# Altium PCB SG1.PcbDoc (part 2 of 3) (continued)
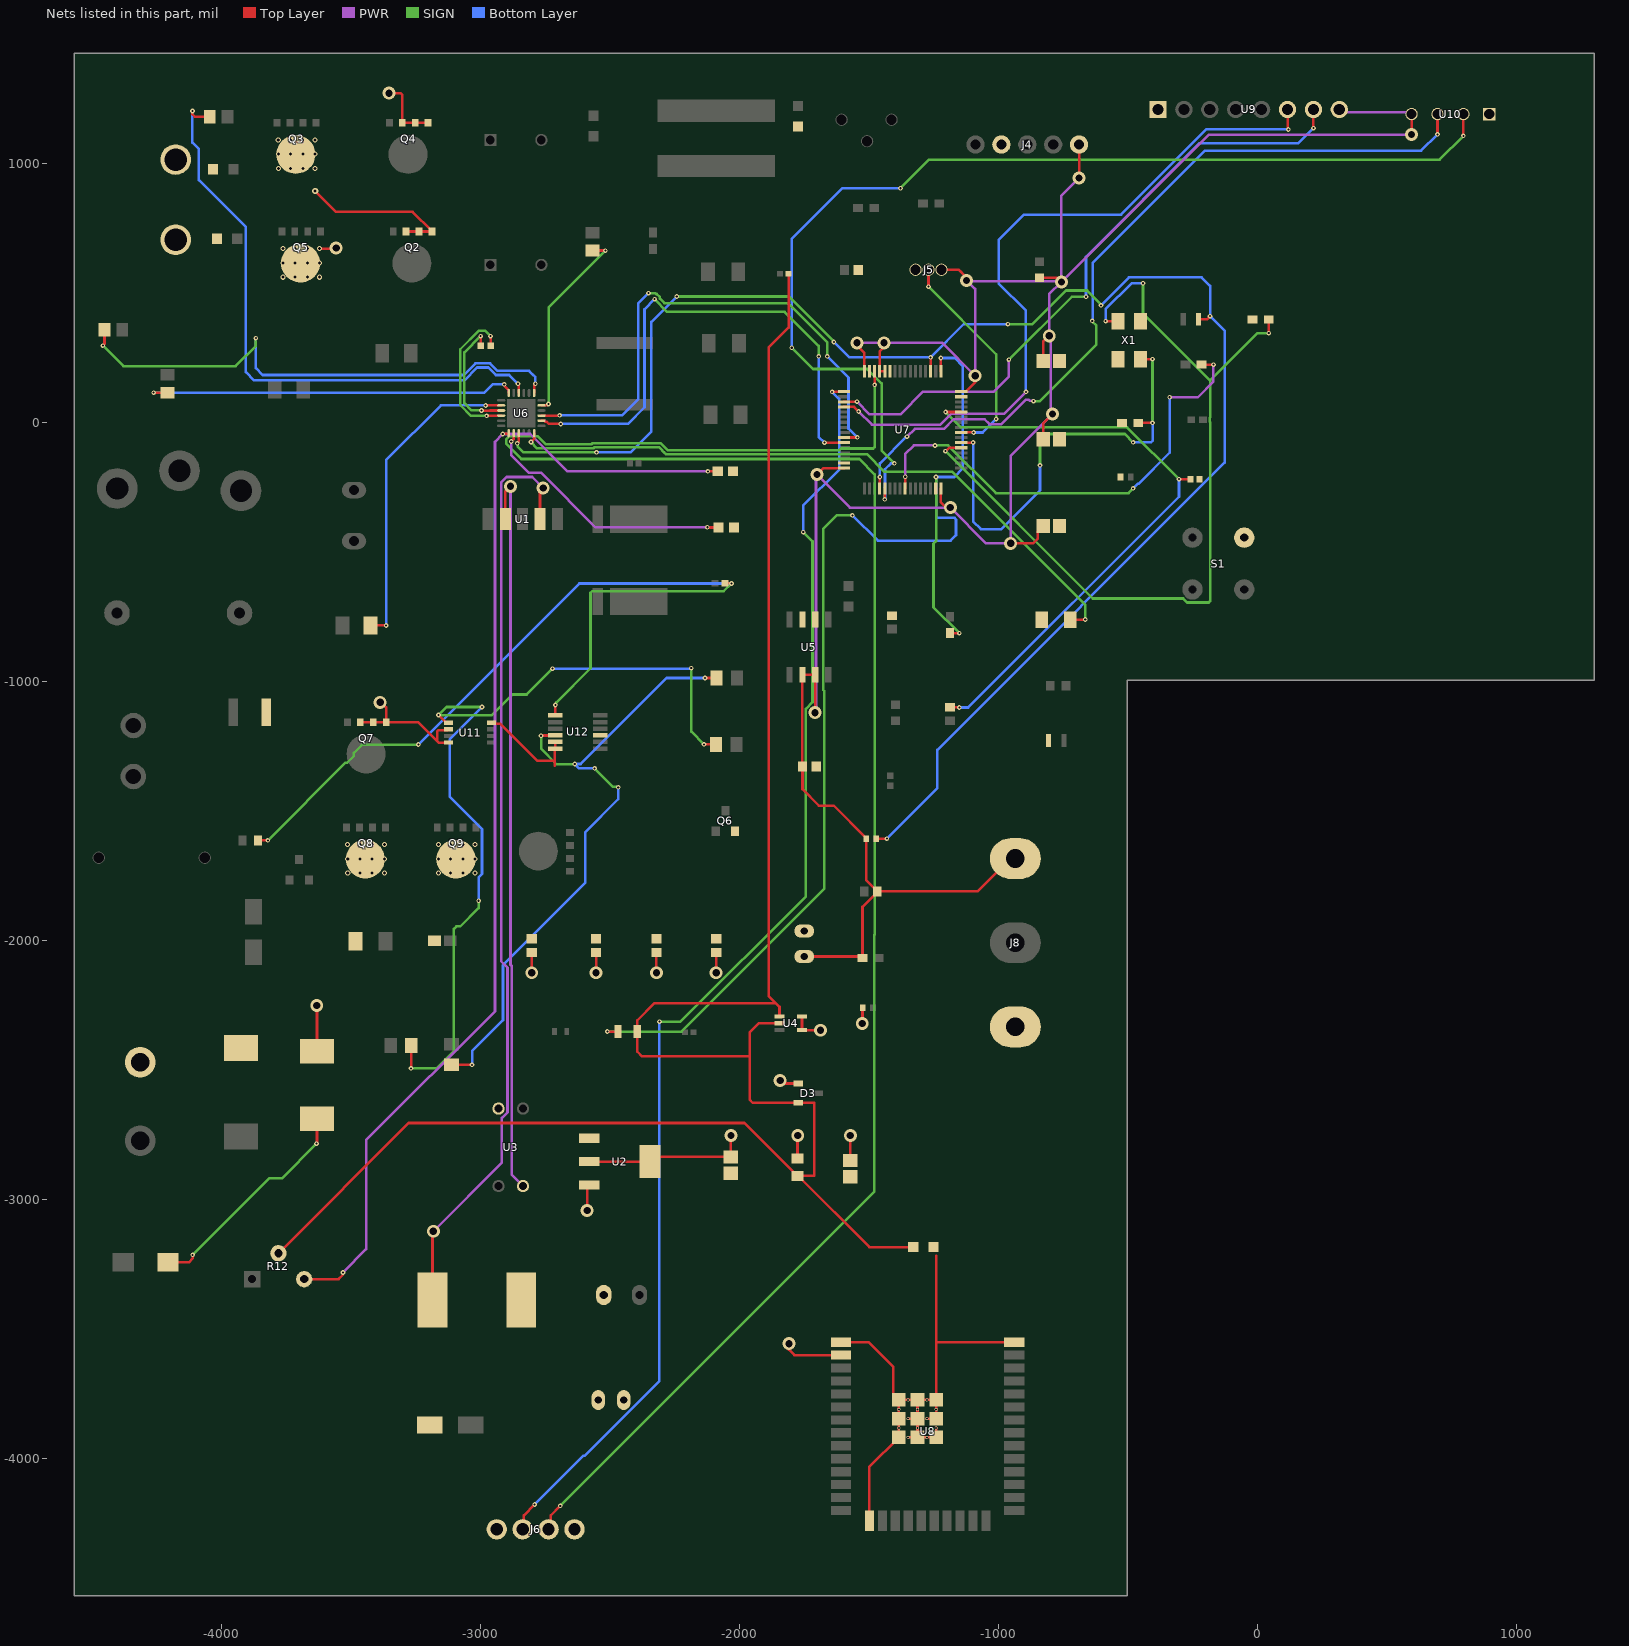
[diagram p6: the nets of this part, all layers, seen from the top]
## Part data (continued)
X1: library part "CRYSTAL 16MHz", "CRYSTAL 16.0000MHZ 20PF SMD", Case/Package=SMD/SMT, ESR (Equivalent Series Resistance)=50R, Frequency=16MHz, Frequency Stability=50ppm, Frequency Tolerance=30ppm, Load Capacitance=20pF, Manufacturer="ECS International", Max Operating Temperature=70°C, Min Operating Temperature=-20°C, Package Quantity=1, Supplier Part Number 1=XC1120CT-ND, Category=Crystals, ComponentLink1Description=https://datasheet.ciiva.com/853/ecx-53b-853408.pdf?src-supplier=Digi-Key, ComponentLink1URL=https://datasheet.ciiva.com/853/ecx-53b-853408.pdf?src-supplier=Digi-Key, ComponentLink2Description=https://datasheet.ciiva.com/853/ecx-53b-853406.pdf?src-supplier=Digi-Key, ComponentLink2URL=https://datasheet.ciiva.com/853/ecx-53b-853406.pdf?src-supplier=Digi-Key, ComponentLink3Description=https://datasheet.ciiva.com/853/ecx-53b-853407.pdf?src-supplier=Digi-Key, ComponentLink3URL=https://datasheet.ciiva.com/853/ecx-53b-853407.pdf?src-supplier=Digi-Key, Designed by=BERK, Height=0.033inch, Lead Free="Lead Free", Length=0.197inch, Manufacturer Part Number=ECS-160-20-30B-TR, Mount="Surface Mount", Packaging="Tape and Reel", Pricing 1="1=1,33000, 10=1,26800, 50=1,23900, 100=1,06200, 500=1,03250 (USD)", RoHS=Yes, RoHS Compliant=Yes, Series=ECX-53B, Stock 1=15303, Supplier 1=Digi-Key, Termination=SMD/SMT, Tolerance=50ppm, Width=0.126inch

## Via types
v1: diameter 18, hole 8, Top Layer to Bottom Layer, 260 vias
v2: diameter 19.68, hole 11.81, Top Layer to Bottom Layer, 96 vias
v3: diameter 50, hole 28, Top Layer to Bottom Layer, 38 vias
v4: diameter 19.68, hole 7.87, Top Layer to Bottom Layer, 4 vias
v5: diameter 23.62, hole 11.81, Top Layer to Bottom Layer, 1 vias

## Nets (pads, with @x,y where several pads share a name; then routed paths per layer and width w, separated by ;. In a path a pad name is that pad's centre, name@x,y a point inside that pad or via, vN(x,y) a via of type N, cw(c..) or ccw(c..) an arc to the next point about the centre after c; other vN are vias at no path point)
3.3V: C3.1 C5.2 C11.2 C22.2 C23.2 C24.2 C25.2 C26.2 C27.2 C28.2 C29.2 C30.2 D3.1 J4.1 J5.1 J8.1 R6.1 R9.1 R10.1 R19.2 R22.1 U2.2 U2.4 U4.4 U4.5 U5.6 U5.7 U7.16 U7.28 U7.29 U7.32 U7.48 U7.64 U8.2 U9.1 U10.1 | length 11739.2
  Top Layer w10: v3@-2804,-2104 -2803.61,-2103.61 C24.2@-2803.61,-2047.01 ; U2.2@-2582.13,-2854 U2.4@-2347.87,-2854 -2329.94,-2836.06 C23.2@-2035.39,-2836.06 -2035.39,-2757.39 v3@-2035,-2757 ; v3@-2555.61,-2145 C26.2@-2555.61,-2047.01 ; v3@-2322.61,-2145 C25.2@-2322.61,-2047.01 ; v3@-2322.61,-2144.39 v3@-2322,-2145 ; v3@-2092,-2145 v3@-2091.61,-2144.61 ; v3@-2091.61,-2145 -2091.61,-2067.41 ; v3(-1845,-2541) -1833.51,-2552.49 D3.1@-1774.55,-2552.49 ; v3(-1811,-3557) -1811,-3580 -1789.7,-3601.3 U8.2@-1609.88,-3601.3 ; C5.2@-1778,-2842.54 -1778,-2755 v3@-1777,-2754 ; U4.5@-1760.69,-2294.41 U4.4@-1760.69,-2345.59 -1759.99,-2346.3 -1689.7,-2346.3 v3(-1689,-2347) ; C3.1@-1752,-2062.21 -1532.12,-2062.21 R19.2@-1526.94,-2067.39 -1526.94,-1870.5 R22.1@-1469.41,-1812.97 ; v3(-1710,-1121) -1709.28,-1120.28 U5.7@-1709.28,-974.29 U5.6@-1759.28,-974.29 -1759.28,-1328.3 C11.2@-1758.57,-1329 -1758.57,-1416.43 -1694.84,-1480.16 -1637.56,-1480.16 -1512.68,-1605.03 -1512.68,-1767.72 R22.1@-1469.41,-1811 -1083.26,-1811 -956.26,-1684 J8.1@-936.57,-1684 ; v3(-1703,-201.28) -1678.36,-176.64 U7.48@-1598.38,-176.64 ; C22.2@-1574.39,-2850.06 -1574.39,-2753.39 v3(-1574,-2753) ; v3@-1548,304 -1548,296 -1519.64,267.64 U7.32@-1519.64,197.38 ; v3(-1528,-2321) -1526.81,-2319.81 -1526.81,-2261.22 R10.1@-1525.61,-2260.03 ; v3(-1444,307) -1444,290 -1460.58,273.42 U7.29@-1460.58,197.38 U7.28@-1440.9,197.38 ; U7.64@-1224.36,-255.38 -1224.36,-308.64 -1204,-329 v3(-1188,-329) ; J5.1@-1222,589 -1154.57,589 -1146.8,581.23 -1146.8,580.62 -1125,558.82 v3(-1125,548) ; U7.16@-1145.62,118.64 -1127.91,118.64 -1092,154.54 v3(-1092,180) ; v3(-955,-467) -869,-467 -850.09,-448.09 -850.09,-420.59 C28.2@-829.5,-400 ; R6.1@-844,558.49 -775.49,558.49 v3(-759,542) ; C29.2@-829.5,-65 -829.5,-4.5 v3(-793,32) ; C30.2@-829.5,237 -829.5,312.5 -808,334 v3(-806,334) ; v3(-690.8,943.8) J4.1@-690.8,1072.58 ; v3(593,1111) U10.1@593,1190
  PWR w10: v3(-1710,-1121) -1706.5,-1117.5 -1706.5,-204.78 v3(-1703,-201.28) -1575.28,-329 v3(-1188,-329) -1050,-467 v3(-955,-467) -955,-130 v3(-793,32) -799.5,38.5 -799.5,327.5 v3(-806,334) -806,495 v3(-759,542) ; v3(-1548,307) v3(-1444,307) -1219,307 v3(-1092,180) -1092,515 v3(-1125,548) -1122,545 -762,545 v3(-759,542) ; v3(-690.8,943.8) -759,875.6 v3(-759,542) ; U9.1@314,1208 324.87,1197.13 585.87,1197.13 U10.1@593,1190 ; v3(593,1111) -190,1111 v3(-759,542)
  other v3: -2035,-2753 -1777,-2753 -2804,-2125 -2555.61,-2125 -2322,-2125 -2092,-2125
+5: C2.1 C4.1 J6.1 L1.2 U1.4 U2.3 U3.4 | length 2958.7
  Top Layer w10: U1.4@-2906.06,-373.7 -2906.06,-267.06 v3(-2886,-247) ; v3(-2590,-3043) -2590,-2952.03 U2.3@-2582.13,-2944.16
  PWR w10: v3(-2886,-247) -2886,-2093.91 -2881.62,-2098.29 -2881.62,-2904.74 U3.4@-2837.76,-2948.61
ADC_THROTTLE: C31.2 R25.1 U7.17 | length 4725.8
  Top Layer w10: v1(-2512,-2352) C31.2@-2471.4,-2352 ; U7.17@-1224.36,197.38 v1(-1224.36,248.64) ; R25.1@-1189,-813.5 -1151.5,-813.5 v1@-1151,-814
  SIGN w10: v1(-2512,-2352) -2225.42,-2352 -1674,-1800.58 -1674,-1037.79 -1679,-1032.79 -1679,-411 -1627,-359 v1(-1566,-359) ; v1(-1243,-211) -1243,-458.58 -1253,-468.58 -1253,-714 v1(-1153,-814)
  Bottom Layer w10: v1(-1566,-359) -1468,-457 -1187.28,-457 -1166,-435.72 -1166,-374.86 -1171.86,-369 -1237.14,-369 -1243,-363.14 v1(-1243,-211) -1172,-211 -1140,-179 -1140,218 -1170.64,248.64 v1(-1224.36,248.64)
AGND: C5.1 C31.1 D3.2 NT6.1 R3.2 R12.3 U4.1 U4.2 | length 7892
  Top Layer w10: R12.3@-3782.21,-3208 -3279.21,-2705 -1982.46,-2705 C5.1@-1778,-2909.46 -1713,-2909.46 -1713,-2627.3 D3.2@-1774.55,-2627.3 -1950.7,-2627.3 -1962,-2616 -1962,-2442 ; U4.2@-1847.31,-2320 -1928,-2320 -1962,-2354 -1962,-2442 ; U4.1@-1847.31,-2294.41 -1847.31,-2256.69 -1862,-2242 ; R3.2@-1812.27,574 -1812.27,365.86 -1889,289.13 -1889,-2215 -1862,-2242 ; C5.1@-1775.05,-2909.46 -1500.51,-3184 NT6.1@-1331,-3184 ; -1962,-2442 -1968,-2448 -2378.2,-2448 -2396.6,-2429.6 C31.1@-2396.6,-2352 -2396.6,-2308.6 -2330,-2242 -1862,-2242
AVDD: C6.2 R12.2 U6.7 | length 4576.5
  Top Layer w10: R12.2@-3682.61,-3308 -3550,-3308 -3533,-3291 v1(-3533,-3282) ; v1(-2916,-45) -2914.47,-43.47 -2893.29,-43.47 -2893.29,-45 -2893.21,-44.92 U6.7@-2893.21,-41.76 ; v1(-2124,-189) C6.2@-2085.53,-189
  PWR w10: v1(-3533,-3282) -3443,-3192 -3443,-2771.63 -2946,-2274.63 -2946,-75 v1(-2916,-45) -2809.72,-45 -2665.72,-189 v1(-2124,-189)
CUR_SNS: C13.2 R8.2 U7.12 | length 2403.3
  Top Layer w10: v1(-1206,40) -1205.9,39.9 U7.12@-1145.62,39.9 ; R8.2@-1189,-1100.41 -1153.59,-1100.41 v1(-1153,-1101) ; v1(-305,-219) -304,-220 C13.2@-260.32,-220
  SIGN w10: v1(-1206,40) -1147,-19 -505,-19 v1(-305,-219)
  Bottom Layer w10: v1(-1153,-1101) -1118.79,-1101 -305,-287.21 v1(-305,-219)
DISP_RX: J6.3 U7.30 | length 7834.1
  Top Layer w10: J6.3@-2739,-4274 -2730.63,-4265.63 -2730.63,-4219.63 v1(-2694,-4183) ; U7.30@-1480.27,197.38 -1480.27,145.27 v1(-1480,145)
  SIGN w10: v1(-2694,-4183) -1482,-2971 -1482,-1979.63 -1480,-1977.63 -1480,-200.72 -1539.22,-141.5 -2843.78,-141.5 -2903,-82.28 -2903,-65.72 -2891.28,-54 -2780.28,-54 -2750.28,-84 -2572.91,-84 -2568.91,-80 -2306.09,-80 -2279.09,-107 -1616,-107 -1610,-101 -1485.86,-101 -1480,-95.14 v1(-1480,145)
DISP_TX: J6.2 U7.33 | length 5035.7
  Top Layer w10: J6.2@-2839,-4274 -2834.63,-4269.63 -2834.63,-4219.63 v1(-2793,-4178) ; v1(-1644,118) -1643.36,118.64 U7.33@-1598.38,118.64
  SIGN w10: v1(-2311,-2314) -2230.09,-2314 -1746,-1829.91 -1746,-1106.09 -1720,-1080.09 -1720,-459.74 v1(-1755.8,-423.94)
  Bottom Layer w10: v1(-2793,-4178) -2604.71,-3989.71 -2598.96,-3989.71 -2311,-3701.75 v1(-2311,-2314) ; v1(-1755.8,-423.94) -1755.8,-321.8 -1617,-183 -1617,91 v1(-1644,118)
DRV_PWM_1: U6.15 U7.42 | length 2064.3
  Top Layer w10: U6.15@-2766.24,26.16 U6.15@-2766.24,26.16 -2696.76,26.24 v1(-2696,27) ; U7.42@-1598.38,-58.53 -1547.53,-58.53 v1(-1547,-58)
  SIGN w10: v1(-2353,499) -2327.33,499 -2324,495.67 -2321.38,495.67 -2309.67,483.95 -2309.67,478.29 -2291.37,460 -1814.33,460 -1663,308.67 v1(-1663,255)
  Bottom Layer w10: v1(-2696,27) -2455,27 -2392,90 -2392,460 v1(-2353,499) ; v1(-1663,255) -1581,173 -1581,-24 v1(-1547,-58)
DRV_PWM_2: U6.14 U7.43 | length 2029.4
  Top Layer w10: U6.14@-2766.24,6.47 -2755.57,6.47 -2751.81,2.71 -2746.99,2.71 -2738.28,-6 v1(-2692,-6) ; v1(-1673.72,-78.35) -1673.58,-78.21 U7.43@-1598.38,-78.21
  SIGN w10: v1(-2329.67,475.67) -2281,427 -1828,427 -1696,295 v1(-1696,255)
  Bottom Layer w10: v1(-2692,-6) -2433,-6 -2368.67,58.33 -2368.67,436.67 v1(-2329.67,475.67) ; v1(-1696,255) -1696,-56.07 v1(-1673.72,-78.35)
FAN_CTRL: R24.1 U7.57 | length 1828.5
  Top Layer w10: U7.57@-1362.16,-255.38 -1362.16,-210.16 v1(-1362,-210) ; R24.1@-217.5,223 v1(-172,223)
  PWR w10: v1(-1362,-210) -1362,-122 -1329,-89 v1(-1247,-89) ; v1(-341,97) -232,97 -172,157 v1(-172,223)
  SIGN w10: v1(-1247,-89) -1196.42,-89 -1012.42,-273 -500,-273 v1(-482,-255)
  Bottom Layer w10: v1(-482,-255) -463.38,-236.38 -460.09,-236.38 -341,-117.28 v1(-341,97)
FAULT_DRV: D5.1 R9.2 U6.9 U7.19 | length 6365.3
  Top Layer w10: v1(-2860,-81) -2853.84,-74.84 U6.9@-2853.84,-41.76 ; R9.2@-1473.31,-1607 v1(-1433,-1607) ; v1(-1264,251) -1263.73,250.73 U7.19@-1263.73,197.38 ; D5.1@-229.49,397.99 -197.01,397.99 v1(-185,410)
  SIGN w10: v1(-2860,-81) -2858.47,-82.53 -2858.47,-93.03 -2835.5,-116 v1(-2554,-116) ; v1(-2244,486) -1811,486 -1637.5,312.5 v1(-1637.5,310.5) ; v1(-966,379) -871.09,379 -741.09,509 -659.72,509 -606,455.28 v1(-606,452)
  Bottom Layer w10: v1(-2554,-116) -2422,-116 -2342,-36 -2342,388 v1(-2244,486) ; v1(-1637.5,310.5) -1578,251 v1(-1264,251) -1136,379 v1(-966,379) ; v1(-1433,-1607) -1238,-1412 -1238,-1264.28 -129,-155.28 -129,354 v1(-185,410) -185,527 -218,560 -498,560 v1(-606,452)
FB_LT: R35.1 R36.2 U12.1 | length 3360.4
  Top Layer w10: R35.1@-3861.41,-1613.91 -3823.09,-1613.91 v1(-3823,-1614) ; U12.1@-2713.47,-1131.43 -2713.47,-1091.47 v1(-2713,-1091) ; R36.2@-2057.44,-621.03 -2056.47,-622 -2055.99,-621.52 -2033.48,-621.52 v1(-2033,-622)
  SIGN w10: v1(-3823,-1614) -3522.76,-1313.76 -3516.25,-1313.76 -3490.6,-1288.11 -3490.6,-1276.41 -3459.4,-1245.2 -3243.2,-1245.2 v1(-3242,-1244) ; v1(-2713,-1091) -2713,-1088.84 -2709,-1084.84 -2709,-1081.34 -2577,-949.34 -2577,-657.86 -2571.14,-652 -2063,-652 v1(-2033,-622)
  Bottom Layer w10: v1(-3242,-1244) -2620,-622 v1(-2033,-622)
Gate_1: R27.1 R29.1 U11.1 | length 3410.5
  Top Layer w10: v1(-3270,-2494) -3269.55,-2493.55 R29.1@-3269.55,-2406 ; v1(-3164,-1130) -3163.72,-1130 -3134.11,-1159.61 U11.1@-3124.87,-1159.61 ; v1(-2139,-1243) R27.1@-2092.45,-1243
  SIGN w10: v1(-3270,-2494) -3172,-2494 -3104.5,-2426.5 -3104.5,-1955.5 -3095,-1946 -3080,-1946 -3009,-1875 v1(-3009,-1847) ; v1(-2996,-1099) -3133,-1099 v1(-3164,-1130) -2957.63,-1130 -2878.17,-1050.54 -2823.54,-1050.54 v1(-2724,-951) ; v1(-2188,-949) -2188,-1194 v1(-2139,-1243)
  Bottom Layer w10: v1(-3009,-1847) -3009,-1756.36 -2996,-1743.36 -2996,-1570 -3121,-1445 -3121,-1224 v1(-2996,-1099) ; v1(-2724,-951) -2190,-951 v1(-2188,-949)
Gate_2: R33.1 R34.1 U12.4 | length 2529.7
  Top Layer w10: R33.1@-3113,-2480.45 v1@-3039.45,-2480.45 ; v1(-2768,-1210) -2767.1,-1209.1 -2714.37,-1209.1 U12.4@-2713.47,-1208.2 ; v1(-2135,-987) R34.1@-2090.45,-987
  SIGN w10: v1(-2768,-1210) -2768,-1260 -2708,-1320 -2639,-1320 v1(-2638,-1319) ; v1(-2561,-1336) -2489.53,-1407.47 -2471.53,-1407.47 v1(-2470,-1409)
  Bottom Layer w10: v1(-3034.45,-2480.45) -3034.45,-2427.73 -2915,-2308.28 -2915,-2095.14 -2598,-1778.14 -2598,-1582.94 -2470,-1454.94 v1(-2470,-1409) ; v1(-2561,-1336) -2621,-1336 v1(-2638,-1319) -2615,-1319 -2283,-987 v1(-2135,-987)
GH1: R15.1 U6.17 | length 761.5
  Top Layer w10: U6.17@-2766.24,65.53 -2766.17,65.61 -2744.39,65.61 v1(-2739,71) ; R15.1@-2569,663.55 -2520.55,663.55 v1(-2520,663)
  SIGN w10: v1(-2739,71) -2739,444 v1(-2520,663)
GH2: R17.1 U6.24 | length 1461.6
  Top Layer w10: v1(-4264,115) -4263.55,114.55 R17.1@-4210,114.55 ; v1(-2910,147) -2910,141.21 -2893.21,124.43 U6.24@-2893.21,113.76
  Bottom Layer w10: v1(-4264,115) -2987.09,115 -2955.09,147 v1(-2910,147)
GL1: R14.1 U6.19 | length 2060.1
  Top Layer w10: v1(-4460,296) -4453.45,302.55 R14.1@-4453.45,358 ; U6.19@-2794.79,113.76 -2794.79,144.21 v1(-2790,149)
  SIGN w10: v1(-4460,296) -4381,217 -3947,217 -3869,295 v1(-3869,325)
  Bottom Layer w10: v1(-3869,325) -3869,209 -3843,183 -3066.17,183 -3021.17,228 -2964.83,228 -2935.83,199 -2814.4,199 -2798.4,183 -2790,174.6 v1(-2790,149)
GL2: R16.1 U6.22 | length 2323.8
  Top Layer w10: v1(-4114,1202) -4114,1189 -4105,1180 R16.1@-4047.45,1180 ; v1(-2857,149) -2853.84,145.84 U6.22@-2853.84,113.76
  Bottom Layer w10: v1(-4114,1202) -4114,1080.06 -4089,1055.06 -4089,935.28 -3908,754.28 -3908,194 -3876.53,162.53 -3064.01,162.53 -3014.54,212 -2971.46,212 -2942.46,183 -2891,183 v1(-2857,149)
GND: C2.2 C3.2 C6.1 C7.1 C8.1 C11.1 C13.1 C19.1 C20.2 C21.2 C22.1 C23.1 C24.1 C25.1 C26.1 C27.1 C28.1 C29.1 C30.1 D6.1 J1.2 J4.4 J5.3 J6.4 J8.3 NT5.2 NT6.2 Q6.2 R11.1 R13.2 R21.2 S1.3 U2.1 U3.2 U5.2 U5.3 U7.15 U7.27 U7.31 U7.47 U7.63 U8.1 U8.15 U8.38 U8.39 U9.8 U10.4 U12.9 X1.2 X1.4 | length 2329.1
  Top Layer w10: U8.1@-1609.88,-3551.3 -1503.7,-3551.3 -1408.03,-3646.97 -1408.03,-3753.15 U8.39@-1386.85,-3774.33 ; U8.15@-1500.23,-4240.67 -1500.23,-4032.2 U8.39@-1386.85,-3918.82 U8.39@-1386.85,-3882.7 U8.39@-1386.85,-3846.57 U8.39@-1386.85,-3810.45 U8.39@-1386.85,-3774.33 ; U8.39@-1350.72,-3918.82 U8.39@-1314.6,-3918.82 ; U8.39@-1350.72,-3846.57 U8.39@-1314.6,-3846.57 ; U8.39@-1278.48,-3846.57 U8.39@-1242.36,-3846.57 U8.39@-1242.36,-3810.45 U8.39@-1242.36,-3774.33 ; U8.39@-1242.36,-3882.7 U8.39@-1242.36,-3918.82 U8.39@-1278.48,-3918.82 U8.39@-1314.6,-3918.82 ; -1242.36,-3217.36 -1242.36,-3555 ; U8.38@-940.59,-3551.3 -1238.66,-3551.3 -1242.36,-3555 ; U8.39@-1386.85,-3774.33 U8.39@-1350.72,-3774.33 U8.39@-1314.6,-3774.33 ; U8.39@-1314.6,-3918.82 U8.39@-1314.6,-3882.7 U8.39@-1314.6,-3846.57 ; U8.39@-1314.6,-3846.57 U8.39@-1314.6,-3810.45 U8.39@-1314.6,-3774.33 ; U8.39@-1314.6,-3774.33 U8.39@-1278.48,-3774.33 U8.39@-1242.36,-3774.33 ; U8.39@-1242.36,-3774.33 -1242.36,-3555
GPS_RX: U7.52 U10.2 | length 3081.9
  Top Layer w10: U7.52@-1460.58,-255.38 -1460.29,-255.09 -1460.29,-211.29 v1(-1460,-211) ; v1(693,1112) U10.2@693,1190
  PWR w10: v1(-1355,-55) -1325,-25 -1212,-25 -1175,12 -1056,12 -1037,-7 -991,-7 -896,88 -886,88 -881.53,83.53 -868.53,83.53 v1(-867,82)
  SIGN w10: v1(-867,82) -842,82 -624,300 -624,374.06 -640,390.06 v1(-640,392)
  Bottom Layer w10: v1(-1460,-211) -1460,-158 -1357,-55 v1(-1355,-55) ; v1(-640,392) -638.47,393.53 -638.47,615.53 -205,1049 630,1049 v1(693,1112)
GPS_TX: U7.53 U10.3 | length 4198.5
  Top Layer w10: v1(-1441,-297) -1440.9,-296.9 U7.53@-1440.9,-255.38 ; v1(793,1106) U10.3@793,1190
  SIGN w10: v1(-1800,288) -1718,206 -1509,206 -1453,150 -1453,-109 v1(-1404,-158) ; v1(-1380,904) -1270,1014 701,1014 v1(793,1106)
  Bottom Layer w10: v1(-1800,288) -1800,709 -1605,904 v1(-1380,904) ; v1(-1441,-297) -1440,-296 -1440,-181 -1417,-158 v1(-1404,-158)
HALL_OUT: J5.2 U7.8 | length 840.3
  Top Layer w10: v1(-1272,524) J5.2@-1272,589 ; U7.8@-1145.62,-38.84 -1098.16,-38.84 v1(-1098,-39)
  SIGN w10: v1(-1272,524) -1011,263 v1(-1011,13)
  Bottom Layer w10: v1(-1098,-39) -1063,-39 v1(-1011,13)
IDRIVE: R11.2 U6.12 | length 2558.8
  Top Layer w10: v1(-2807,-76) -2794.87,-63.87 -2794.87,-41.83 U6.12@-2794.79,-41.76 ; R11.2@-724.88,-762 -668,-762 v1(-667,-761)
  SIGN w10: v1(-2807,-76) -2783,-100 -2566.28,-100 -2562.28,-96 -2312.72,-96 -2300,-108.72 -2300,-110.14 -2294.14,-116 -2292.72,-116 -2285.72,-123 -1510.28,-123 -1443.28,-190 -1181.09,-190 -667,-704.09 v1(-667,-761)
M_A: J3.1 NT1.2 Q2.1 Q2.2 Q2.3 Q3.5-6-7-8 | length 617.1
  Top Layer w10: v5(-3640,894) -3559,813 -3263.64,813 -3188.87,738.24 Q2.1@-3188.87,736.76 Q2.2@-3238.87,736.76 Q2.3@-3288.87,736.76
  other v2: -3782.45,980.4 -3735.2,980.4 -3687.96,980.4 -3640.71,980.4 -3782.45,1035.52 -3735.2,1035.52 -3687.96,1035.52 -3640.71,1035.52 -3782.74,1090.64 -3735.5,1090.64 -3688.25,1090.64 -3641.01,1090.64
M_B: J3.2 NT4.1 Q4.1 Q4.2 Q4.3 Q5.5-6-7-8 | length 326.2
  Top Layer w10: v2(-3623.01,670.64) -3561.36,670.64 v3(-3559,673) ; v3(-3355,1271) -3311,1271 -3303.87,1263.87 Q4.3@-3303.87,1156.76 Q4.2@-3253.87,1156.76 Q4.1@-3203.87,1156.76
  other v2: -3764.45,560.4 -3717.2,560.4 -3669.96,560.4 -3622.71,560.4 -3764.45,615.52 -3717.2,615.52 -3669.96,615.52 -3622.71,615.52 -3764.74,670.64 -3717.5,670.64 -3670.25,670.64
MPU_SCL: U7.35 U9.2 | length 2490.8
  Top Layer w10: U7.35@-1598.38,79.27 -1598.12,79.53 -1548.51,79.53 v1(-1548.25,79.79) ; v1(214,1136) U9.2@214,1208
  PWR w10: v1(-1548.25,79.79) -1499.46,31 -1380.73,31 -1292.73,119 -1020,119 -962,177 v1(-962,242)
  SIGN w10: v1(-962,242) -719,485 v1(-664,485)
  Bottom Layer w10: v1(-664,485) -664,639 -225,1078 156,1078 v1(214,1136)
MPU_SDA: U7.36 U9.3 | length 2786
  Top Layer w10: U7.36@-1598.38,59.58 -1559.58,59.58 v1(-1542,42) ; U9.3@114,1208 115.5,1206.5 115.5,1132.5 v1(117,1131)
  PWR w10: v1(-1542,42) -1491,-9 -1226.72,-9 -1184.72,33 -981,33 v1(-896,118)
  Bottom Layer w10: v1(-896,118) -896,431.26 -1001,536.26 -1001,704 -903,802 -529.08,802 -200.08,1131 v1(117,1131)
NetC7_2: C7.2 U6.8 | length 1005.4
  Top Layer w10: v1(-2883,-74) -2873.61,-64.61 -2873.61,-41.83 U6.8@-2873.53,-41.76 ; v1(-2126,-405) -2125,-406 C7.2@-2082.53,-406
  PWR w10: v1(-2883,-74) -2883,-127.38 -2815.38,-195 -2767.09,-195 -2557.09,-405 v1(-2126,-405)
NetC10_1: C10.1 U6.2 | length 1232.1
  Top Layer w10: C10.1@-3426.83,-784 v1(-3366,-784) ; v1(-2982,65) -2981.47,65.53 U6.2@-2921.76,65.53
  Bottom Layer w10: v1(-3366,-784) -3366,-145 -3155,66 -2983,66 v1(-2982,65)
NetC12_1: C12.1 U6.4 | length 582.9
  Top Layer w10: v1(-2978,25) -2976.84,26.16 U6.4@-2921.76,26.16 ; v1(-2963,333) -2962.85,332.85 -2962.85,296.15 C12.1@-2962.71,296
  SIGN w10: v1(-2978,25) -3037.63,25 -3080,67.37 -3080,282.28 -3009.28,353 -2983,353 v1(-2963,333)
NetC12_2: C12.2 U6.3 | length 476.8
  Top Layer w10: C12.2@-3001.29,296 -3001.29,332.71 v1(-3001,333) ; v1(-2998,46) -2997,45 -2965.17,45 -2964.33,45.84 U6.3@-2921.76,45.84
  SIGN w10: v1(-3001,333) -3064,270 -3064,74 -3036,46 v1(-2998,46)
NetC20_1: C20.1 U7.5 X1.3 | length 3302.5
  Top Layer w10: v1(-1207,-111) -1204.84,-111 -1191.73,-97.9 U7.5@-1145.62,-97.9 ; v1(-588,391) -586.83,389.83 X1.3@-540.31,389.83 ; v1(41.5,344.5) C20.1@41.5,397
  SIGN w10: v1(-1207,-111) -638,-680 -289.23,-680 -273.86,-695.37 -190.86,-695.37 -185,-689.51 -185,0.72 -186,1.72 -186,18.28 -185,19.28 -185,161.1 ; v1(-444,537) -444,420.1 -185,161.1 ; v1(41.5,344.5) -1.6,344.5 -185,161.1
  Bottom Layer w10: v1(-588,391) -588,437 -488,537 v1(-444,537)
NetC21_1: C21.1 U7.6 X1.1 | length 1764.3
  Top Layer w10: U7.6@-1145.62,-78.21 -1100.21,-78.21 v1(-1100,-78) ; C21.1@-462.5,-2 v1(-407,-2) ; X1.1@-453.69,244.17 v1(-407.17,244.17)
  SIGN w10: v1(-841.71,-166.1) -841.71,-50.86 -835.85,-45 -514,-45 v1(-482,-77) ; v1(-407.17,244.17) -407.17,-1.83 v1(-407,-2)
  Bottom Layer w10: v1(-1100,-78) -1100,-382 -1070,-412 -991,-412 -841.71,-262.71 v1(-841.71,-166.1) ; v1(-482,-77) -413,-77 -407,-71 v1(-407,-2)
NetC32_2: C32.2 Q8.5-6-7-8 Q9.5-6-7-8 R30.1 U11.8 U12.5 U12.6 | length 397
  Top Layer w10: U11.8@-2959.13,-1159.61 -2955.86,-1162.88 -2926.12,-1162.88 -2782,-1307 -2715,-1307 ; -2715,-1325 -2715,-1307 ; U12.5@-2713.47,-1233.8 U12.6@-2713.47,-1259.39 -2715,-1260.91 -2715,-1307
  other v2: -3514.45,-1740.6 -3467.2,-1740.6 -3419.96,-1740.6 -3372.71,-1740.6 -3164.45,-1740.6 -3117.2,-1740.6 -3069.96,-1740.6 -3022.71,-1740.6 -3514.45,-1685.48 -3467.2,-1685.48 -3419.96,-1685.48 -3372.71,-1685.48 -3164.45,-1685.48 -3117.2,-1685.48 -3069.96,-1685.48 -3022.71,-1685.48 -3514.74,-1630.36 -3467.5,-1630.36 -3420.25,-1630.36 -3373.01,-1630.36 -3164.74,-1630.36 -3117.5,-1630.36 -3070.25,-1630.36 -3023.01,-1630.36
NetD1_1: D1.1 F1.2 Q7.1 Q7.2 Q7.3 U11.2 U11.4 | length 724.6
  Top Layer w10: v3(-3634,-2251) -3633,-2252 D1.1@-3633,-2428.08 ; Q7.3@-3465.87,-1158.24 Q7.2@-3415.87,-1158.24 Q7.1@-3365.87,-1158.24 ; v3(-3389,-1081) -3385,-1081 -3365.87,-1100.13 Q7.1@-3365.87,-1158.24 ; U11.4@-3124.87,-1236.39 -3163.61,-1236.39 -3169.47,-1230.53 ; U11.2@-3124.87,-1185.2 -3128.14,-1188.47 -3163.61,-1188.47 -3169.47,-1194.33 -3169.47,-1230.53 ; Q7.1@-3365.87,-1158.24 -3241.76,-1158.24 -3169.47,-1230.53
NetD1_2: D1.2 D8.2 | length 869.2
  Top Layer w10: D8.2@-4208.39,-3243 -4128,-3243 -4113,-3228 v1(-4113,-3214) ; v1(-3635,-2785) -3633,-2783 D1.2@-3633,-2687.92
  SIGN w10: v1(-4113,-3214) -3818,-2919 -3769,-2919 v1(-3635,-2785)
NetD2_2: D2.2 L1.1 U1.2 | length 3599.9
  Top Layer w10: L1.1@-3187.26,-3388 -3187.26,-3126.26 v3(-3184,-3123) ; U1.2@-2772.2,-373.7 -2772.2,-265.2 v3(-2760,-253)
  PWR w10: v3(-3184,-3123) -2919,-2858 -2919,-2685.11 -2897.62,-2663.73 -2897.62,-2104.92 -2922,-2080.54 -2922,-232.09 -2900.91,-211 -2802,-211 v3(-2760,-253)